# KiCad board PDNode_Baseboard.kicad_pcb (continued)
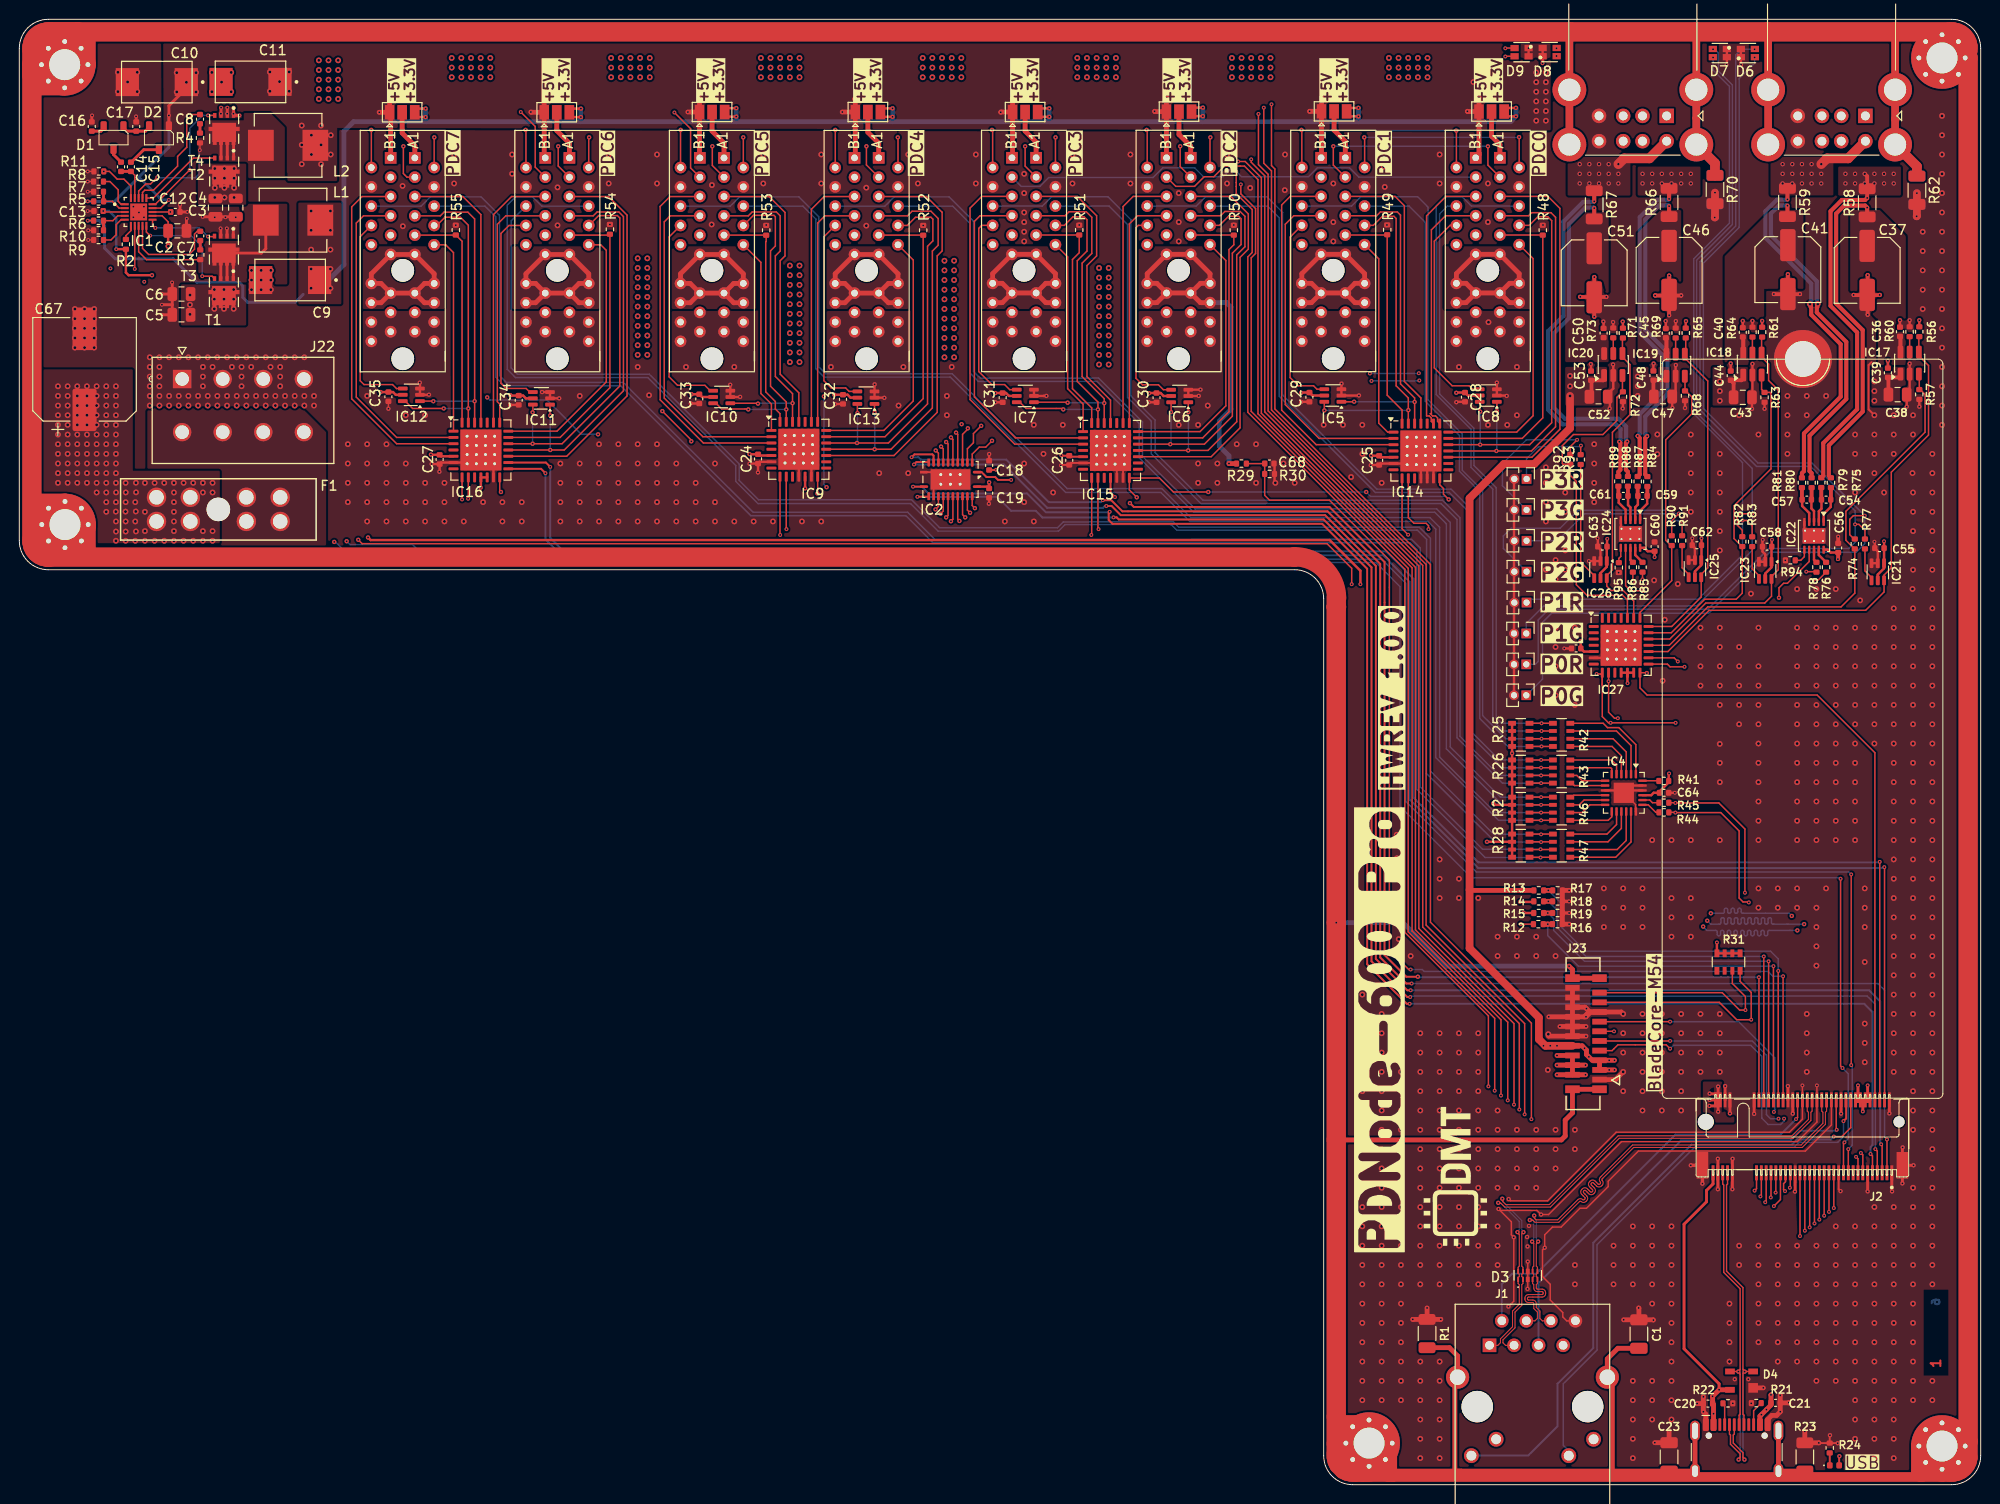
[diagram p0: board, top side]
## Library data of the parts (continued)
H1-H5 = -: Description: Mounting Hole with connection; ki_fp_filters: MountingHole*Pad*
IC1 = -: Datasheet: https://www.ti.com/lit/ds/symlink/tps51225.pdf; Description: Dual Synchronous, Step-Down Controller with 5-V and 3.3-V LDOs; LCSC_PART: C131684; ROHS: YES; MFR: Texas Instruments
IC2 = -: Datasheet: https://www.ti.com/lit/ds/symlink/cd74hct4067-q1.pdf?ts=1751855183969; Description: 1 Circuit IC Switch 16:1 160Ohm 24-VQFN (5.5x3.5); MFR: Texas Instruments; LCSC_PART: C48731605; DIST1: https://www.digikey.at/en/products/detail/texas-instruments/CD74HC4067QRGYRQ1/26690664; ROHS: YES; ki_fp_filters: TO*252*
IC4 = -: Datasheet: https://www.ti.com/lit/ds/symlink/tca9548a.pdf; Description: I2C Bus Switch 1 x 8:1 24-VQFN (4x4); MFR: Texas Instruments; LCSC_PART: C555456; DIST1: https://www.digikey.de/en/products/detail/texas-instruments/tca9548arger/4497280; ROHS: YES; ki_fp_filters: TO*252*
IC5-IC8 IC10-IC13 IC21 IC23 IC25 IC26 = -: Datasheet: https://www.ti.com/general/docs/suppproductinfo.tsp?distId=10&gotoUrl=https%3A%2F%2Fwww.ti.com%2Flit%2Fgpn%2Fsn74lvc1g97-q1; Description: Configurable Multiple Function Configurable 1 Circuit 3 Input SC-70-6; MFR: Texas Instruments; LCSC_PART: C179911; DIST1: https://www.digikey.de/en/products/detail/texas-instruments/sn74lvc1g97qdckrq1/716453; ROHS: YES; ki_fp_filters: TO*252*
IC9 IC14-IC16 IC27 = -: Datasheet: https://ww1.microchip.com/downloads/aemDocuments/documents/APID/ProductDocuments/DataSheets/MCP23017-Data-Sheet-DS20001952.pdf; Description: I/O Expander 16 I2C 1.7 MHz 28-QFN (6x6); MFR: Microchip Technology; LCSC_PART: C629439; DIST1: https://www.digikey.at/en/products/detail/microchip-technology/MCP23017T-E-ML/964183; ROHS: YES; ki_fp_filters: TO*252*
IC17-IC20 = -: Datasheet: https://www.diodes.com/assets/Datasheets/AP22652_53_52A_53A.pdf; Description: Active High High Side Switch Short-Circuit Protection(SCP)、Over Voltage Protection、Undervoltage Protection(UVP)、Overcurrent Protection(OCP)、Overtemperature protection (OTP) SOT-26 Power Distribution Switches ROHS; MFR: Diodes Incorporated; ROHS: YES; LCSC_PART: C2158037; DIST1: https://www.digikey.at/en/products/detail/diodes-incorporated/AP22653W6-7/10481162?s=N4IgTCBcDaIIIAUxgGwFYDMB1FBaA7CALoC%2BQA; ki_fp_filters: *SC?70*
IC22 IC24 = -: Datasheet: https://ww1.microchip.com/downloads/aemDocuments/documents/MSLD/ProductDocuments/DataSheets/PAC1710-PAC1720-Data-Sheet-DS20005386.pdf; Description: Current Monitor Regulator High-Side 10-DFN (3x3); MFR: Microchip Technology; ROHS: YES; LCSC_PART: C622574; DIST1: https://www.digikey.at/en/products/detail/microchip-technology/pac1720-1-aia-tr/4439707; ki_fp_filters: *SC?70*
J1 = -: Datasheet: https://www.lcsc.com/datasheet/lcsc_datasheet_2011180207_WIZNET-J1B1211CCD_C910371.pdf; Description: 1 Gold Phosphor Bronze RJ45 Jack Right Angle Shielded With LED cat5 Push-Pull Ethernet Connectors / Modular Connectors (RJ45 RJ11) ROHS; MFR: WIZNET; ROHS: YES; LCSC_PART: C910371
J2 = -: Datasheet: https://cdn.amphenol-cs.com/media/wysiwyg/files/documentation/datasheet/ssio/ssio_pcie_m2.pdf; Description: 67 Position Female Connector M.2 (NGFF) Mini Card Gold 0.020" (0.50mm) Black 5.8mm height; LCSC_PART: C5177196; MFR: Amphenol ICC (FCI); ROHS: YES; DIST1: https://www.digikey.at/en/products/detail/amphenol-cs-fci/MDT580M01001/22525925
J3 = -: Datasheet: https://jlcpcb.com/api/file/downloadByFileSystemAccessId/8589041631273738240; Description: -25°C~+85°C 1 10,000 cycles 16P 3A 5V 7.35mm Female Surface Mount, Right Angle Type-C SMD USB Connectors ROHS; LCSC_PART: C2927038; MFR: DEALON; ROHS: YES
J4-J11 = -: Datasheet: https://www.waldom.com/upload/parts/datasheets/mf-fci/fci-10018784-10200tlf.pdf; Description: 36 Position Female Connector PCI Express Gold 0.039" (1.00mm) Black; LCSC_PART: C5437695; MFR: Amphenol ICC (FCI); ROHS: YES; DIST1: https://www.digikey.de/en/products/detail/amphenol-cs-fci/10018784-10200TLF/1002340
J12 J13 = -: Datasheet: https://jlcpcb.com/api/file/downloadByFileSystemAccessId/8588937323954245632; Description: 1.5A 17.6mm 2 30V 4Px2 5,000 times Female Right Angle Type-A USB 2.0 White USB Connectors ROHS; ROHS: YES; LCSC_PART: C456021; MFR: SHOU HAN; ki_fp_filters: USB*C*Receptacle*
J14-J21 = -: Description: Generic connector, single row, 01x02, script generated (kicad-library-utils/schlib/autogen/connector/); ki_fp_filters: Connector*:*_1x??_*
J22 = -: Datasheet: https://www.molex.com/en-us/products/part-detail/1724470208?display=pdf; Description: Connector Header Through Hole 8 position 0.165" (4.20mm); MFR: Molex; LCSC_PART: C17445611; LCSC_PRICE: EUR 1.1598; ROHS: YES; DIST1: https://www.digikey.at/en/products/detail/molex/1724470208/5405403; PPU1: EUR 1.60 DIGI
J23 = -: Datasheet: https://www.molex.com/en-us/products/part-detail/525592052?display=pdf; Description: 20 Position FFC, FPC Connector Contacts, Vertical - 1 Sided 0.020" (0.50mm) Surface Mount; MFR: Molex; LCSC_PART: C588204; ROHS: YES; DIST1: https://www.digikey.at/en/products/detail/molex/0525592052/2074156?s=N4IgTCBcDaIKxjnAnGADAkBdAvkA
JP1-JP8 = -: Description: Solder Jumper, 3-pole, open; ki_fp_filters: SolderJumper*Open*
L1 = -: Description: 10A 15mΩ 2.2uH 9.5A Molded Inductor ±20% SMD,7x6.6mm Power Inductors ROHS; LCSC_PART: C167218; ROHS: YES; MPN: FXL0630-2R2-M
L2 = -: Datasheet: https://jlcpcb.com/api/file/downloadByFileSystemAccessId/8604432124011159552; Description: 10A 13A 15mΩ 3.3uH Molded Inductor ±20% SMD,8.5x8mm Power Inductors ROHS; LCSC_PART: C41413136; ROHS: YES; MPN: ZEMS0850-3R3M; MFR: ZE
R1 R23 R62 R70 = -: Description: 250mW Thick Film Resistors 200V ±100ppm/℃ ±1% 1MΩ 1206 Chip Resistor - Surface Mount ROHS; LCSC_PART: C17927; ROHS: YES; FOOTPRINT_SHORT: 1206; MFR: Uniohm
R2 R7 R10-R19 R48-R55 = -: Description: 62.5mW Thick Film Resistors 50V ±100ppm/℃ ±1% 10kΩ 0402 Chip Resistor - Surface Mount ROHS; LCSC_PART: C25744; ROHS: YES; FOOTPRINT_SHORT: 0402; MFR: ROHM
R3 R4 = -: Datasheet: https://jlcpcb.com/api/file/downloadByFileSystemAccessId/8590208205541711872; Description: -55℃~+155℃ 2.2Ω 50V 62.5mW Thick Film Resistor ±1% ±200ppm/℃ 0402 Chip Resistor - Surface Mount ROHS; LCSC_PART: C2909330; ROHS: YES; FOOTPRINT_SHORT: 0402; MFR: UNI-ROYAL
R5 = -: Datasheet: https://jlcpcb.com/api/file/downloadByFileSystemAccessId/8590918905378381824; Description: 15.4kΩ 50V 62.5mW Thick Film Resistor ±1% ±200ppm/℃ 0402 Chip Resistor - Surface Mount ROHS; LCSC_PART: C22369478; ROHS: YES; FOOTPRINT_SHORT: 0402; MFR: HKR; MPN: RCA0215K4FLF
R6 = -: Description: -55℃~+155℃ 50V 6.57kΩ 62.5mW Thin Film Resistor ±0.1% ±25ppm/℃ 0402 Chip Resistor - Surface Mount ROHS; LCSC_PART: C852899; ROHS: YES; FOOTPRINT_SHORT: 0402; MFR: RT0402BRD076K57L
R8 R29 = -: Description: -55℃~+155℃ 50V 51kΩ 62.5mW Thick Film Resistor ±1% ±100ppm/℃ 0402 Chip Resistor - Surface Mount ROHS; LCSC_PART: C25794; ROHS: YES; FOOTPRINT_SHORT: 0402
R9 = -: Description: -55℃~+155℃ 47kΩ 50V 62.5mW Thick Film Resistor ±1% ±100ppm/℃ 0402 Chip Resistor - Surface Mount ROHS; LCSC_PART: C25792; ROHS: YES; FOOTPRINT_SHORT: 0402; MFR: 0402WGF4702TCE
R21 R22 R30 = -: Description: 62.5mW Thick Film Resistors 50V ±100ppm/℃ ±1% 5.1kΩ 0402 Chip Resistor - Surface Mount ROHS; LCSC_PART: C25905; ROHS: YES; FOOTPRINT_SHORT: 0402
R24 R74 R77 R82 R83 R90-R93 = -: Description: 62.5mW Thick Film Resistors 50V ±100ppm/℃ ±1% 1kΩ 0402 Chip Resistor - Surface Mount ROHS; LCSC_PART: C11702; ROHS: YES; FOOTPRINT_SHORT: 0402; MFR: FH
R25-R28 R31 = -: Datasheet: https://jlcpcb.com/api/file/downloadByFileSystemAccessId/8586173052141121536; Description: 1/16W 2.2kΩ 4 8 ±200ppm/°C ±5% 0603x4 Resistor Networks, Arrays ROHS; LCSC_PART: C12001; LCSC_PRICE: EUR 0.0070; ROHS: YES; FOOTPRINT_SHORT: 1206; MFR: UNI-ROYAL; MPN: 4D03WGJ0222T5E
R41 R56 R57 R61 R63 R65 R68 R71 R72 = -: Description: 62.5mW Thick Film Resistors 50V ±100ppm/℃ ±1% 4.7kΩ 0402 Chip Resistor - Surface Mount ROHS; LCSC_PART: C25900; ROHS: YES; FOOTPRINT_SHORT: 0402
R42 R43 R46 R47 = -: Datasheet: https://jlcpcb.com/api/file/downloadByFileSystemAccessId/8588884044750180352; Description: 100Ω 4 62.5mW 8 ±1% ±200ppm/°C 0603x4 Resistor Networks, Arrays ROHS; LCSC_PART: C136838; LCSC_PRICE: EUR 0.0092; ROHS: YES; FOOTPRINT_SHORT: 1206; MFR: YAGEO; MPN: YC164-FR-07100RL
R44 R45 R76 R78 R85 R86 = -: Description: -55℃~+155℃ 33Ω 50V 62.5mW Thick Film Resistor ±1% ±100ppm/℃ 0402 Chip Resistor - Surface Mount ROHS; LCSC_PART: C25105; ROHS: YES; FOOTPRINT_SHORT: 0402; MFR: ROHM
R58 R59 R66 R67 = -: Datasheet: https://jlcpcb.com/api/file/downloadByFileSystemAccessId/8589941403372855296; Description: 20mΩ 250mW ±1% ±75ppm/°C 1206 Chip Resistor - Surface Mount ROHS; LCSC_PART: C844895; ROHS: YES; FOOTPRINT_SHORT: 1206; MFR: Vishay; MPN: WSL1206R0200FEA
R60 R64 R69 R73 = -: Datasheet: https://jlcpcb.com/api/file/downloadByFileSystemAccessId/8588946345579458560; Description: 33.2kΩ 50V 62.5mW Thick Film Resistor ±1% ±100ppm/°C 0402 Chip Resistor - Surface Mount ROHS; LCSC_PART: C324836; ROHS: YES; FOOTPRINT_SHORT: 0402; MFR: FH; MPN: RC-02K3322FT
R75 R79-R81 R84 R87-R89 R94 R95 = -: Description: 62.5mW Thick Film Resistors 50V ±1% ±200ppm/℃ 100Ω 0402 Chip Resistor - Surface Mount ROHS; LCSC_PART: C25076; ROHS: YES; FOOTPRINT_SHORT: 0402
ST1 = -: Datasheet: https://www.we-online.com/components/products/datasheet/9774045151R.pdf; Description: Round Standoff Threaded M2.5 Steel; LCSC_PART: C7435234; MFR: Würth Elektronik; MPN: 9774045151R; ROHS: YES; DIST1: https://www.digikey.at/en/products/detail/w%C3%BCrth-elektronik/9774045151R/5320636
T1 T2 = -: Datasheet: https://www.onsemi.com/pdf/datasheet/fdmc7692-d.pdf; Description: 1 N-channel 1.385nF 18A 23nC@10V 27W 30V 3V 590pF 60pF 9.3mΩ@10V N-Channel MLP(3.3x3.3) MOSFETs ROHS; ROHS: YES; LCSC_PART: C241798; MFR: onsemi
T3 T4 = -: Datasheet: https://www.onsemi.com/pdf/datasheet/fdmc7672-d.pdf; Description: 1 N-channel 120pF@15V 16.9A 3.89nF@15V 30V 3V 57nC@10V WDFN-8(3.3x3.3) MOSFETs ROHS; ROHS: YES; LCSC_PART: C890946; MFR: onsemi

## Footprints (pads in the part's own frame, mm; a bottom-side part is the same pattern mirrored in y, then rotated)
7x6.6mm
  rect 2.67x3.21 smd: 1(-2.82,0) 2(2.82,0)
178.6165.0001-Littelfuse
  round 2.438 hole 2.438 unplated: (-6.4,1.248)
  round 2.007 hole 1.499: 1(-12.8,2.496) 2(-12.8,-0.004) 3(-9.3,2.496) 4(-9.3,-0.004) 5(-3.5,2.496) 6(-3.5,-0.004) 7(0,2.496) 8(0,-0.004)
2917
  rect 2.4x2.9 smd: 1(-3.05,0) 2(3.05,0)
AMPHENOL_10018784-10210TLF
  round 2.35 hole 2.35 unplated: (0,0) (9.15,0)
  rect 1.208x1.208 hole 0.7: A1(-11.65,1.25) B1(-11.65,-1.25)
  round 1.208 hole 0.7: A2(-10.65,3.25) A3(-9.65,1.25) A4(-8.65,3.25) A5(-7.65,1.25) A6(-6.65,3.25) A7(-5.65,1.25) A8(-4.65,3.25) A9(-3.65,1.25) A10(-2.65,3.25) A11(-1.65,1.25) A12(1.35,3.25) A13(2.35,1.25) A14(3.35,3.25) A15(4.35,1.25) A16(5.35,3.25) A17(6.35,1.25) A18(7.35,3.25) B2(-10.65,-3.25) B3(-9.65,-1.25) B4(-8.65,-3.25) B5(-7.65,-1.25) B6(-6.65,-3.25) B7(-5.65,-1.25) B8(-4.65,-3.25) B9(-3.65,-1.25) B10(-2.65,-3.25) B11(-1.65,-1.25) B12(1.35,-3.25) B13(2.35,-1.25) B14(3.35,-3.25) B15(4.35,-1.25) B16(5.35,-3.25) B17(6.35,-1.25) B18(7.35,-3.25)
BladeCore-M54E-5.8mm
  round 1.65 hole 1.65 unplated: (-10,3.6)
  round 1.15 hole 1.15 unplated: (10,3.6)
  rect 0.3x1.55 smd: 1(9.25,-1.675) 2(9,5.875) 3(8.75,-1.675) 4(8.5,5.875) 5(8.25,-1.675) 6(8,5.875) 7(7.75,-1.675) 8(7.5,5.875) 9(7.25,-1.675) 10(7,5.875) 11(6.75,-1.675) 12(6.5,5.875) 13(6.25,-1.675) 14(6,5.875) 15(5.75,-1.675) 16(5.5,5.875) 17(5.25,-1.675) 18(5,5.875) 19(4.75,-1.675) 20(4.5,5.875) 21(4.25,-1.675) 22(4,5.875) 23(3.75,-1.675) 24(3.5,5.875) 25(3.25,-1.675) 26(3,5.875) 27(2.75,-1.675) 28(2.5,5.875) 29(2.25,-1.675) 30(2,5.875) 31(1.75,-1.675) 32(1.5,5.875) 33(1.25,-1.675) 34(1,5.875) 35(0.75,-1.675) 36(0.5,5.875) 37(0.25,-1.675) 38(0,5.875) 39(-0.25,-1.675) 40(-0.5,5.875) 41(-0.75,-1.675) 42(-1,5.875) 43(-1.25,-1.675) 44(-1.5,5.875) 45(-1.75,-1.675) 46(-2,5.875) 47(-2.25,-1.675) 48(-2.5,5.875) 49(-2.75,-1.675) 50(-3,5.875) 51(-3.25,-1.675) 52(-3.5,5.875) 53(-3.75,-1.675) 54(-4,5.875) 55(-4.25,-1.675) 56(-4.5,5.875) 57(-4.75,-1.675) 58(-5,5.875) 67(-7.25,-1.675) 68(-7.5,5.875) 69(-7.75,-1.675) 70(-8,5.875) 71(-8.25,-1.675) 72(-8.5,5.875) 73(-8.75,-1.675) 74(-9,5.875) 75(-9.25,-1.675)
  rect 1.2x2.75 smd: SH1(-10.35,-0.9) SH1(10.35,-0.9)
C_0402_1005Metric
  rrect 0.56x0.62 smd: 1(-0.48,0) 2(0.48,0)
C_0805_2012Metric
  rrect 1x1.45 smd: 1(-0.95,0) 2(0.95,0)
C_1206_3216Metric
  rrect 1.15x1.8 smd: 1(-1.475,0) 2(1.475,0)
C_Elec_6.3x7.7
  rrect 3.325x1.6 smd: 1(-2.538,0) 2(2.538,0)
CON_525592052_MOL
  rect 0.6x1.5 smd: 1(-4.75,-1.4) 2(-4.25,1.4) 3(-3.75,-1.4) 4(-3.25,1.4) 5(-2.75,-1.4) 6(-2.25,1.4) 7(-1.75,-1.4) 8(-1.25,1.4) 9(-0.75,-1.4) 10(-0.25,1.4) 11(0.25,-1.4) 12(0.75,1.4) 13(1.25,-1.4) 14(1.75,1.4) 15(2.25,-1.4) 16(2.75,1.4) 17(3.25,-1.4) 18(3.75,1.4) 19(4.25,-1.4) 20(4.75,1.4)
  rect 0.8x1.5 smd: P1(-5.75,-1.4) P2(5.75,-1.4) P3(-5.75,1.4) P4(5.75,1.4)
CP_Elec_10x10.5
  rrect 4.4x2.5 smd: 1(-4.2,0) 2(4.2,0)
DFN8_3x3
  rect 0.5x0.35 smd: 1(-1.76,0.975) 1(-1.76,0.325) 1(-1.76,-0.325) 2(-1.76,-0.975)
  custom 2.29x3.22 smd: 3(0,0)
DFN-10-1EP_3x3mm_P0.5mm_EP1.58x2.35mm_ThermalVias
  rrect 1.27x0.95 smd: (0,0.59) (0,-0.59)
  rrect 0.825x0.25 smd: 1(-1.438,1) 2(-1.438,0.5) 3(-1.438,0) 4(-1.438,-0.5) 5(-1.438,-1) 6(1.438,-1) 7(1.438,-0.5) 8(1.438,0) 9(1.438,0.5) 10(1.438,1)
  round 0.5 hole 0.2: 11(-0.54,0.925) 11(-0.54,0) 11(-0.54,-0.925) 11(0.54,0.925) 11(0.54,0) 11(0.54,-0.925)
  rect 1.58x2.35 smd: 11(0,0)
  rect 1.58x2.35 smd far side: 11(0,0)
J1B1211CCD
  round 3.25 hole 3.25 unplated: (-5.715,0) (5.715,0)
  rect 1.408x1.408 hole 0.9: 1(-4.445,6.35)
  round 1.408 hole 0.9: 2(-3.175,8.89) 3(-1.905,6.35) 4(-0.635,8.89) 5(0.635,6.35) 6(1.905,8.89) 7(3.175,6.35) 8(4.445,8.89)
  round 1.53 hole 1.02: 9(-6.325,-5.08) 10(-3.758,-3.38) 11(3.758,-5.08) 12(6.325,-3.38)
  round 2.4 hole 1.6: 13(-7.75,3.05) 14(7.75,3.05)
LED_0402_1005Metric
  rrect 0.59x0.64 smd: 1(-0.485,0) 2(0.485,0)
LED_0605-1613
  rect 0.85x0.65 smd: 1(-0.725,0.425) 2(-0.725,-0.425) 3(0.725,0.425) 4(0.725,-0.425)
MOLEX_1724470208
  rect 1.9x1.9 hole 1.4: 1(0,0)
  round 1.9 hole 1.4: 2(-4.2,0) 3(-8.4,0) 4(-12.6,0) 5(0,5.5) 6(-4.2,5.5) 7(-8.4,5.5) 8(-12.6,5.5)
MountingHole_3.2mm_M3_Pad_Via
  round 0.8 hole 0.5: 1(-2.4,0) 1(-1.697,1.697) 1(-1.697,-1.697) 1(0,2.4) 1(0,-2.4) 1(1.697,1.697) 1(1.697,-1.697) 1(2.4,0)
  round 6.4 hole 3.2: 1(0,0)
PinHeader_1x02_P1.27mm_Vertical
  rect 1x1 hole 0.65: 1(0,0)
  round 1 hole 0.65: 2(0,-1.27)
QFN20-3x3
  rrect 0.83x0.22 smd: 1(-1.39,0.75) 2(-1.39,0.35) 3(-1.39,-0.05) 4(-1.39,-0.45) 5(-1.39,-0.85) 11(1.49,-0.85) 12(1.49,-0.45) 13(1.49,-0.05) 14(1.49,0.35) 15(1.49,0.75)
  rrect 0.22x0.83 smd: 6(-0.75,-1.49) 7(-0.35,-1.49) 8(0.05,-1.49) 9(0.45,-1.49) 10(0.85,-1.49) 16(0.85,1.39) 17(0.45,1.39) 18(0.05,1.39) 19(-0.35,1.39) 20(-0.75,1.39)
  rect 1.75x1.75 smd: 21(0.05,-0.05)
QFN-28-1EP_6x6mm_P0.65mm_EP4.25x4.25mm_ThermalVias
  rrect 1.14x1.14 smd: (-1.42,1.42) (-1.42,0) (-1.42,-1.42) (0,1.42) (0,0) (0,-1.42) (1.42,1.42) (1.42,0) (1.42,-1.42)
  rrect 1.025x0.3 smd: 1(-2.837,1.95) 2(-2.837,1.3) 3(-2.837,0.65) 4(-2.837,0) 5(-2.837,-0.65) 6(-2.837,-1.3) 7(-2.837,-1.95) 15(2.837,-1.95) 16(2.837,-1.3) 17(2.837,-0.65) 18(2.837,0) 19(2.837,0.65) 20(2.837,1.3) 21(2.837,1.95)
  rrect 0.3x1.025 smd: 8(-1.95,-2.837) 9(-1.3,-2.837) 10(-0.65,-2.837) 11(0,-2.837) 12(0.65,-2.837) 13(1.3,-2.837) 14(1.95,-2.837) 22(1.95,2.837) 23(1.3,2.837) 24(0.65,2.837) 25(0,2.837) 26(-0.65,2.837) 27(-1.3,2.837) 28(-1.95,2.837)
  round 0.5 hole 0.3: 29(-1.425,1.425) 29(-1.425,0.475) 29(-1.425,-0.475) 29(-1.425,-1.425) 29(-0.475,1.425) 29(-0.475,0.475) 29(-0.475,-0.475) 29(-0.475,-1.425) 29(0.475,1.425) 29(0.475,0.475) 29(0.475,-0.475) 29(0.475,-1.425) 29(1.425,1.425) 29(1.425,0.475) 29(1.425,-0.475) 29(1.425,-1.425)
  rect 3.35x3.35 smd far side: 29(0,0)
  rect 4.25x4.25 smd: 29(0,0)
R_0402_1005Metric
  rrect 0.54x0.64 smd: 1(-0.51,0) 2(0.51,0)
R_1206_3216Metric
  rrect 1.125x1.75 smd: 1(-1.462,0) 2(1.462,0)
R_Array_Convex_4x0603
  rect 0.8x0.5 smd: 1(-0.9,1.2) 4(-0.9,-1.2) 5(0.9,-1.2) 8(0.9,1.2)
  rect 0.8x0.4 smd: 2(-0.9,0.4) 3(-0.9,-0.4) 6(0.9,-0.4) 7(0.9,0.4)
Round Standoff Threaded M2.5 Steel
  round 6 hole 3.7: 1(0,0)
SolderJumper-3_P1.3mm_Open_Pad1.0x1.5mm
  rect 1x1.5 smd: 1(-1.3,0) 2(0,0) 3(1.3,0)
SOT23-3
  rrect 1x0.65 smd: 1(-1.45,1.03) 2(-1.45,-1.02) 3(0.95,0)
SOT143
  rect 1x1 smd: 1(-0.75,-1.2)
  rect 0.6x1 smd: 2(0.95,-1.2) 3(0.95,1.2) 4(-0.95,1.2)
SOT-23-6
  rrect 1.325x0.6 smd: 1(-1.137,0.95) 2(-1.137,0) 3(-1.137,-0.95) 4(1.137,-0.95) 5(1.137,0) 6(1.137,0.95)
SOT-363_SC-70-6
  rrect 1x0.4 smd: 1(-0.887,0.65) 2(-0.887,0) 3(-0.887,-0.65) 4(0.887,-0.65) 5(0.887,0) 6(0.887,0.65)
Texas_RGE0024C_VQFN-24-1EP_4x4mm_P0.5mm_EP2.1x2.1mm
  rrect 0.85x0.85 smd: (-0.525,0.525) (-0.525,-0.525) (0.525,0.525) (0.525,-0.525)
  rrect 0.875x0.25 smd: 1(-1.938,1.25) 2(-1.938,0.75) 3(-1.938,0.25) 4(-1.938,-0.25) 5(-1.938,-0.75) 6(-1.938,-1.25) 13(1.938,-1.25) 14(1.938,-0.75) 15(1.938,-0.25) 16(1.938,0.25) 17(1.938,0.75) 18(1.938,1.25)
  rrect 0.25x0.875 smd: 7(-1.25,-1.938) 8(-0.75,-1.938) 9(-0.25,-1.938) 10(0.25,-1.938) 11(0.75,-1.938) 12(1.25,-1.938) 19(1.25,1.938) 20(0.75,1.938) 21(0.25,1.938) 22(-0.25,1.938) 23(-0.75,1.938) 24(-1.25,1.938)
  rect 2.1x2.1 smd: 25(0,0)
Texas_RGY_R-PVQFN-N24_EP2.05x3.1mm_ThermalVias
  rect 0.82x1.32 smd: (-0.56,0.81) (-0.56,-0.81) (0.56,0.81) (0.56,-0.81)
  custom 0.28x0.838 smd: 1(-0.75,2.795) 12(-0.75,-2.795) 13(0.75,-2.795) 24(0.75,2.795)
  custom 0.85x0.28 smd: 2(-1.795,2.25)
  custom 0.837x0.28 smd: 3(-1.795,1.75) 4(-1.795,1.25) 5(-1.795,0.75) 6(-1.795,0.25) 7(-1.795,-0.25) 8(-1.795,-0.75) 9(-1.795,-1.25) 10(-1.795,-1.75) 11(-1.795,-2.25)
  custom 0.838x0.28 smd: 14(1.795,-2.25) 15(1.795,-1.75) 16(1.795,-1.25) 17(1.795,-0.75) 18(1.795,-0.25) 19(1.795,0.25) 20(1.795,0.75) 21(1.795,1.25) 22(1.795,1.75) 23(1.795,2.25)
  round 0.6 hole 0.3: 25(-0.5,1) 25(-0.5,0) 25(-0.5,-1) 25(0.5,1) 25(0.5,0) 25(0.5,-1)
  rect 2.1x4.1 smd: 25(0,0)
  rect 2.1x4.1 smd far side: 25(0,0)
USB_A_Horizontal_Stacked
  rect 1.5x1.5 hole 0.92: 1(0,0)
  round 1.5 hole 0.92: 2(0,-2.5) 3(0,-4.5) 4(0,-7) 5(2.62,0) 6(2.62,-2.5) 7(2.62,-4.5) 8(2.62,-7)
  round 3.5 hole 2.3: 9(-2.71,3.07) 9(-2.71,-10.07) 9(2.97,3.07) 9(2.97,-10.07)
USB_C_Receptacle_HCTL_HC-TYPE-C-16P-01A
  round 0.65 hole 0.65 unplated: (-2.89,2.605) (2.89,2.605)
  rrect 0.6x1.3 smd: A1(-3.2,3.745) A4(-2.4,3.745) A9(2.4,3.745) A12(3.2,3.745) B1(3.2,3.745) B4(2.4,3.745) B9(-2.4,3.745) B12(-3.2,3.745)
  rrect 0.3x1.3 smd: A5(-1.25,3.745) A6(-0.25,3.745) A7(0.25,3.745) A8(1.25,3.745) B5(1.75,3.745) B6(0.75,3.745) B7(-0.75,3.745) B8(-1.75,3.745)
  oval 1x2.1 hole 0.6x1.7: S1(-4.32,3.105) S1(4.32,3.105)
  oval 1x1.6 hole 0.6x1.2: S1(-4.32,-1.075) S1(4.32,-1.075)
USON10_2.5x1
  rrect 0.565x0.2 smd: 1(-0.417,1) 1(0.417,1) 2(-0.417,0.5) 2(0.417,0.5) 4(-0.417,-0.5) 4(0.417,-0.5) 5(-0.417,-1) 5(0.417,-1)
  rrect 0.565x0.4 smd: 3(-0.417,0) 3(0.417,0)

## Nets
+3.3V: C9.1 C18.1 C19.1 C24.1 C25.1 C26.1 C27.1 C28.1 C29.1 C30.1 C31.1 C32.1 C33.1 C34.1 C35.1 C55.1 C56.1 C58.1 C60.1 C62.1 C63.1 C64.1 C65.1 IC2.24 IC4.21 IC5.5 IC6.5 IC7.5 IC8.5 IC9.5 IC9.12 IC10.5 IC11.5 IC12.5 IC13.5 IC14.5 IC15.5 IC15.11 IC16.5 IC16.11 IC16.12 IC21.1 IC21.5 IC22.10 IC23.1 IC23.5 IC24.10 IC25.1 IC25.5 IC26.1 IC26.5 IC27.5 IC27.11 IC27.12 IC27.13 J1.10 J1.12 J2.10 J2.12 J2.14 J2.16 J23.2 J23.4 J23.6 JP1.3 JP2.3 JP3.3 JP4.3 JP5.3 JP6.3 JP7.3 JP8.3 L1.2 R6.1 R15.1 R25.5 R25.6 R25.7 R25.8 R26.5 R26.6 R26.7 R26.8 R27.5 R27.6 R27.7 R27.8 R28.5 R28.6 R28.7 R28.8 R31.5 R31.6 R31.7 R31.8 R41.1 R56.1 R61.1 R65.1 R71.1
+3.3VA: C13.1 IC1.3 R2.1 R14.1
+5V: C10.1 C11.1 C38.1 C39.1 C43.1 C44.1 C47.1 C48.1 C52.1 C53.1 D2.1 IC1.14 IC17.1 IC18.1 IC19.1 IC20.1 J4.B1 J5.B1 J6.B1 J7.B1 J8.B1 J9.B1 J10.B1 J11.B1 J23.3 J23.5 J23.8 JP1.1 JP2.1 JP3.1 JP4.1 JP5.1 JP6.1 JP7.1 JP8.1 L2.1 R5.1 R13.1
+5VA: C12.1 IC1.13 R12.1
+15V: C16.1 D1.2
+24V: C2.1 C3.1 C4.1 C5.1 C6.1 C67.1 F1.5 F1.6 F1.7 F1.8 IC1.12 J4.A11 J4.A12 J4.A13 J4.A14 J4.B11 J4.B12 J4.B13 J4.B14 J5.A11 J5.A12 J5.A13 J5.A14 J5.B11 J5.B12 J5.B13 J5.B14 J6.A11 J6.A12 J6.A13 J6.A14 J6.B11 J6.B12 J6.B13 J6.B14 J7.A11 J7.A12 J7.A13 J7.A14 J7.B11 J7.B12 J7.B13 J7.B14 J8.A11 J8.A12 J8.A13 J8.A14 J8.B11 J8.B12 J8.B13 J8.B14 J9.A11 J9.A12 J9.A13 J9.A14 J9.B11 J9.B12 J9.B13 J9.B14 J10.A11 J10.A12 J10.A13 J10.A14 J10.B11 J10.B12 J10.B13 J10.B14 J11.A11 J11.A12 J11.A13 J11.A14 J11.B11 J11.B12 J11.B13 J11.B14 R29.1 T1.3 T2.3
+24V_IN: F1.1 F1.2 F1.3 F1.4 J22.5 J22.6 J22.7 J22.8
/Project Architecture/System Power/3V3_BUCK_EN: IC1.6 R2.2
/Project Architecture/System Power/5V_BUCK_EN: IC1.20 J2.21 R11.1
GND: C1.1 C2.2 C3.2 C4.2 C5.2 C6.2 C9.2 C10.2 C11.2 C12.2 C13.2 C16.2 C17.2 C18.2 C19.2 C20.2 C21.2 C23.2 C24.2 C25.2 C26.2 C27.2 C28.2 C29.2 C30.2 C31.2 C32.2 C33.2 C34.2 C35.2 C36.2 C37.2 C38.2 C39.2 C40.2 C41.2 C42.2 C43.2 C44.2 C45.2 C46.2 C47.2 C48.2 C49.2 C50.2 C51.2 C52.2 C53.2 C55.2 C56.2 C58.2 C60.2 C62.2 C63.2 C64.2 C65.2 C67.2 C68.2 D3.3 D4.1 D6.1 D6.2 D7.1 D7.2 D8.1 D8.2 D9.1 D9.2 IC1.21 IC2.12 IC2.15 IC2.25 IC4.9 IC4.18 IC4.22 IC4.23 IC4.25 IC5.2 IC5.3 IC6.2 IC6.3 IC7.2 IC7.3 IC8.2 IC8.3 IC9.6 IC9.11 IC9.13 IC9.29 IC10.2 IC10.3 IC11.2 IC11.3 IC12.2 IC12.3 IC13.2 IC13.3 IC14.6 IC14.11 IC14.12 IC14.13 IC14.29 IC15.6 IC15.12 IC15.13 IC15.29 IC16.6 IC16.13 IC16.29 IC17.2 IC18.2 IC19.2 IC20.2 IC21.2 IC21.3 IC22.5 IC22.11 IC23.2 IC23.3 IC24.5 IC24.11 IC25.2 IC25.3 IC26.2 IC26.3 IC27.6 IC27.29 J1.8 J2.1 J2.2 J2.11 J2.22 J2.23 J2.26 J2.32 J2.38 J2.41 J2.42 J2.44 J2.58 J2.67 J2.68 J2.70 J2.73 J2.SH1 J3.A1 J3.A12 J3.B1 J3.B12 J4.A4 J4.A15 J4.A16 J4.A17 J4.A18 J4.B4 J4.B15 J4.B16 J4.B17 J4.B18 J5.A4 J5.A15 J5.A16 J5.A17 J5.A18 J5.B4 J5.B15 J5.B16 J5.B17 J5.B18 J6.A4 J6.A15 J6.A16 J6.A17 J6.A18 J6.B4 J6.B15 J6.B16 J6.B17 J6.B18 J7.A4 J7.A15 J7.A16 J7.A17 J7.A18 J7.B4 J7.B15 J7.B16 J7.B17 J7.B18 J8.A4 J8.A15 J8.A16 J8.A17 J8.A18 J8.B4 J8.B15 J8.B16 J8.B17 J8.B18 J9.A4 J9.A15 J9.A16 J9.A17 J9.A18 J9.B4 J9.B15 J9.B16 J9.B17 J9.B18 J10.A4 J10.A15 J10.A16 J10.A17 J10.A18 J10.B4 J10.B15 J10.B16 J10.B17 J10.B18 J11.A4 J11.A15 J11.A16 J11.A17 J11.A18 J11.B4 J11.B15 J11.B16 J11.B17 J11.B18 J12.4 J12.8 J13.4 J13.8 J14.2 J15.2 J16.2 J17.2 J18.2 J19.2 J20.2 J21.2 J22.1 J22.2 J22.3 J22.4 J23.1 J23.10 J23.12 J23.14 J23.15 J23.16 J23.18 J23.20 R1.1 R7.2 R8.2 R9.2 R10.2 R11.2 R16.2 R17.2 R18.2 R19.2 R21.2 R22.2 R23.2 R24.1 R30.2 R48.2 R49.2 R50.2 R51.2 R52.2 R53.2 R54.2 R55.2 R57.2 R60.2 R62.2 R63.2 R64.2 R68.2 R69.2 R70.2 R72.2 R73.2 R94.1 R95.1 ST1.1 T3.1 T4.1
VBUS: C20.1 C21.1 D4.4 D5.2 J2.72 J2.74 J2.75 J3.A4 J3.A9 J3.B4 J3.B9
VBUS_VMON_PORT0: IC2.23 J4.B10
VBUS_VMON_PORT1: IC2.22 J5.B10
VBUS_VMON_PORT2: IC2.21 J6.B10
VBUS_VMON_PORT3: IC2.20 J7.B10
VBUS_VMON_PORT4: IC2.19 J8.B10
VBUS_VMON_PORT5: IC2.18 J9.B10
VBUS_VMON_PORT6: IC2.17 J10.B10
VBUS_VMON_PORT7: IC2.16 J11.B10
/Project Architecture/BladeCore-M54/ACTLED: J1.9 J2.18
/Project Architecture/BladeCore-M54/ADC_24V: C68.1 J2.46 R29.2 R30.1
/Project Architecture/BladeCore-M54/LINKLED: J1.11 J2.20
/Project Architecture/BladeCore-M54/RCT: J1.5 J2.24
/Project Architecture/BladeCore-M54/RD+: D3.4 J1.4 J2.28
/Project Architecture/BladeCore-M54/RD-: D3.5 J1.6 J2.30
/Project Architecture/BladeCore-M54/SPI_CS: J2.47 J23.11
/Project Architecture/BladeCore-M54/TCT: J1.2 J2.40
/Project Architecture/BladeCore-M54/TD+: D3.1 J1.1 J2.34
/Project Architecture/BladeCore-M54/TD-: D3.2 J1.3 J2.36
/Project Architecture/BladeCore-M54/USB_RP_D+: D4.2 J2.69 J3.A6 J3.B6
/Project Architecture/BladeCore-M54/USB_RP_D-: D4.3 J2.71 J3.A7 J3.B7
/Project Architecture/PDC Signals/MCP_RESET: IC9.14 IC14.14 IC15.14 IC16.14 IC27.14 J2.8
/Project Architecture/PDC Signals/PD_IRQ_EVENT_A: IC16.16 J2.6
/Project Architecture/PDC Signals/PD_IRQ_EVENT_B: IC16.15 J2.4
/Project Architecture/PDCard Connectors 1-4/I2C_SCL_PORT0: J4.A6 R25.3 R42.2
/Project Architecture/PDCard Connectors 1-4/I2C_SCL_PORT1: J5.A6 R25.1 R42.4
/Project Architecture/PDCard Connectors 1-4/I2C_SCL_PORT2: J6.A6 R26.3 R43.2
/Project Architecture/PDCard Connectors 1-4/I2C_SCL_PORT3: J7.A6 R26.1 R43.4
/Project Architecture/PDCard Connectors 1-4/I2C_SDA_PORT0: J4.B6 R25.4 R42.1
/Project Architecture/PDCard Connectors 1-4/I2C_SDA_PORT1: J5.B6 R25.2 R42.3
/Project Architecture/PDCard Connectors 1-4/I2C_SDA_PORT2: J6.B6 R26.4 R43.1
/Project Architecture/PDCard Connectors 1-4/I2C_SDA_PORT3: J7.B6 R26.2 R43.3
/Project Architecture/PDCard Connectors 1-4/SPI_CLK: J2.45 J4.A3 J5.A3 J6.A3 J7.A3 J8.A3 J9.A3 J10.A3 J11.A3 J23.9
/Project Architecture/PDCard Connectors 1-4/SPI_CS_PORT0: J2.25 J4.B3
/Project Architecture/PDCard Connectors 1-4/SPI_CS_PORT1: J2.27 J5.B3
/Project Architecture/PDCard Connectors 1-4/SPI_CS_PORT2: J2.29 J6.B3
/Project Architecture/PDCard Connectors 1-4/SPI_CS_PORT3: J2.31 J7.B3
/Project Architecture/PDCard Connectors 1-4/SPI_MISO: J2.49 J4.B2 J5.B2 J6.B2 J7.B2 J8.B2 J9.B2 J10.B2 J11.B2 J23.13
/Project Architecture/PDCard Connectors 1-4/SPI_MOSI: J2.43 J4.A2 J5.A2 J6.A2 J7.A2 J8.A2 J9.A2 J10.A2 J11.A2 J23.7
/Project Architecture/PDCard Connectors 5-8/I2C_SCL_PORT4: J8.A6 R27.3 R46.2
/Project Architecture/PDCard Connectors 5-8/I2C_SCL_PORT5: J9.A6 R27.1 R46.4
/Project Architecture/PDCard Connectors 5-8/I2C_SCL_PORT6: J10.A6 R28.3 R47.2
/Project Architecture/PDCard Connectors 5-8/I2C_SCL_PORT7: J11.A6 R28.1 R47.4
/Project Architecture/PDCard Connectors 5-8/I2C_SDA_PORT4: J8.B6 R27.4 R46.1
/Project Architecture/PDCard Connectors 5-8/I2C_SDA_PORT5: J9.B6 R27.2 R46.3
/Project Architecture/PDCard Connectors 5-8/I2C_SDA_PORT6: J10.B6 R28.4 R47.1
/Project Architecture/PDCard Connectors 5-8/I2C_SDA_PORT7: J11.B6 R28.2 R47.3
/Project Architecture/PDCard Connectors 5-8/SPI_CS_PORT4: J2.33 J8.B3
/Project Architecture/PDCard Connectors 5-8/SPI_CS_PORT5: J2.35 J9.B3
/Project Architecture/PDCard Connectors 5-8/SPI_CS_PORT6: J2.37 J10.B3
/Project Architecture/PDCard Connectors 5-8/SPI_CS_PORT7: J2.39 J11.B3
/Project Architecture/System Power/ADC_3V3A: J2.54 R14.2 R18.1
/Project Architecture/System Power/ADC_3V3SW: J2.52 R15.2 R19.1
/Project Architecture/System Power/ADC_5VA: J2.50 R12.2 R16.1
/Project Architecture/System Power/ADC_5VSW: J2.48 R13.2 R17.1
/Project Architecture/System Power/CS_R1: IC1.1 R8.1
/Project Architecture/System Power/CS_R2: IC1.5 R9.1
/Project Architecture/System Power/DRVH1: IC1.16 T2.2
/Project Architecture/System Power/DRVH2: IC1.10 T1.2
/Project Architecture/System Power/DRVL1: IC1.15 T4.2
/Project Architecture/System Power/DRVL2: IC1.11 T3.2
/Project Architecture/System Power/PGOOD: IC1.7 J2.19
/Project Architecture/System Power/SW1: IC1.18 L2.2 R4.2 T2.1 T4.3
/Project Architecture/System Power/SW2: IC1.8 L1.1 R3.2 T1.1 T3.3
/Project Architecture/System Power/VCLK: C14.1 C15.1 IC1.19
/Project Architecture/System Power/VFB_3V3: IC1.4 R6.2 R10.1
/Project Architecture/System Power/VFB_5: IC1.2 R5.2 R7.1
/Project Architecture/TCA9548 Port Controller/RESET: IC4.24 R41.2
/Project Architecture/TCA9548 Port Controller/TCA_SCL: IC4.19 R45.1
/Project Architecture/TCA9548 Port Controller/TCA_SDA: IC4.20 R44.2
/Project Architecture/USB Interface and Display/USB_IND: D5.1 R24.2
/Project Architecture/USB-A Current Measurement/PAC_ALERT_P01: IC22.7 J2.13
/Project Architecture/USB-A Current Measurement/PAC_ALERT_P23: IC24.7 J2.15
/Project Architecture/USB-A Current Measurement/PAC_SCL: IC22.9 R76.1
/Project Architecture/USB-A Current Measurement/PAC_SCL2: IC24.9 R85.1
/Project Architecture/USB-A Current Measurement/PAC_SDA: IC22.8 R78.2
/Project Architecture/USB-A Current Measurement/PAC_SDA2: IC24.8 R86.2
/Project Architecture/USB-A Current Measurement/PD_IRQ_EVENT_A2: IC27.16 J2.57
/Project Architecture/USB-A Current Measurement/PD_IRQ_EVENT_B2: IC27.15 J2.55
/Project Architecture/USB-A Outputs/FAULT_PORTA0: IC17.4 IC21.6 IC27.17 R56.2
/Project Architecture/USB-A Outputs/FAULT_PORTA1: IC18.4 IC23.6 IC27.19 R61.2
/Project Architecture/USB-A Outputs/FAULT_PORTA2: IC19.4 IC25.6 IC27.21 R65.2
/Project Architecture/USB-A Outputs/FAULT_PORTA3: IC20.4 IC26.6 IC27.23 R71.2
/Project Architecture/USB-A Outputs/ILIM_EN_PORTA0: IC17.3 IC27.18 R57.1 R74.1
/Project Architecture/USB-A Outputs/ILIM_EN_PORTA1: IC18.3 IC27.20 R63.1 R82.1
/Project Architecture/USB-A Outputs/ILIM_EN_PORTA2: IC19.3 IC27.22 R68.1 R90.1
/Project Architecture/USB-A Outputs/ILIM_EN_PORTA3: IC20.3 IC27.24 R72.1 R92.1
I2C1_SCL: IC9.8 IC14.8 IC15.8 IC16.8 IC27.8 J2.51 J23.17 R31.4 R45.2 R76.2 R85.2
I2C1_SDA: IC9.9 IC14.9 IC15.9 IC16.9 IC27.9 J2.53 J23.19 R31.3 R44.1 R78.1 R86.1
MUX_OUT: IC2.1 J2.56
MUX_S0: IC2.10 J2.3
MUX_S1: IC2.11 J2.5
MUX_S2: IC2.14 J2.7
MUX_S3: IC2.13 J2.9
PD_ATTACH_PORT0: IC14.21 J4.A10
PD_ATTACH_PORT1: IC14.1 J5.A10
PD_ATTACH_PORT2: IC15.21 J6.A10
PD_ATTACH_PORT3: IC15.1 J7.A10
PD_ATTACH_PORT4: IC9.21 J8.A10
PD_ATTACH_PORT5: IC9.1 J9.A10
PD_ATTACH_PORT6: IC16.21 J10.A10
PD_ATTACH_PORT7: IC16.1 J11.A10
PD_ENABLE_PORT0: IC8.6 IC14.19 J4.A8
PD_ENABLE_PORT1: IC5.6 IC14.27 J5.A8
PD_ENABLE_PORT2: IC6.6 IC15.19 J6.A8
PD_ENABLE_PORT3: IC7.6 IC15.27 J7.A8
PD_ENABLE_PORT4: IC9.19 IC13.6 J8.A8
PD_ENABLE_PORT5: IC9.27 IC10.6 J9.A8
PD_ENABLE_PORT6: IC11.6 IC16.19 J10.A8
PD_ENABLE_PORT7: IC12.6 IC16.27 J11.A8
PD_IRQ_PORT0: IC14.17 J4.A5
PD_IRQ_PORT1: IC14.25 J5.A5
PD_IRQ_PORT2: IC15.17 J6.A5
PD_IRQ_PORT3: IC15.25 J7.A5
PD_IRQ_PORT4: IC9.17 J8.A5
PD_IRQ_PORT5: IC9.25 J9.A5
PD_IRQ_PORT6: IC16.17 J10.A5
PD_IRQ_PORT7: IC16.25 J11.A5
PD_RESET_PORT0: IC14.23 J4.B5
PD_RESET_PORT1: IC14.3 J5.B5
PD_RESET_PORT2: IC15.23 J6.B5
PD_RESET_PORT3: IC15.3 J7.B5
PD_RESET_PORT4: IC9.23 J8.B5
PD_RESET_PORT5: IC9.3 J9.B5
PD_RESET_PORT6: IC16.23 J10.B5
PD_RESET_PORT7: IC16.3 J11.B5
PDC_DET_PORT0: IC14.20 J4.A9 R48.1
PDC_DET_PORT1: IC14.28 J5.A9 R49.1
PDC_DET_PORT2: IC15.20 J6.A9 R50.1
PDC_DET_PORT3: IC15.28 J7.A9 R51.1
PDC_DET_PORT4: IC9.20 J8.A9 R52.1
PDC_DET_PORT5: IC9.28 J9.A9 R53.1
PDC_DET_PORT6: IC16.20 J10.A9 R54.1
PDC_DET_PORT7: IC16.28 J11.A9 R55.1
PGOOD_COMBINED_PORT0: IC14.22 J4.B7
PGOOD_COMBINED_PORT1: IC14.2 J5.B7
PGOOD_COMBINED_PORT2: IC15.22 J6.B7
PGOOD_COMBINED_PORT3: IC15.2 J7.B7
PGOOD_COMBINED_PORT4: IC9.22 J8.B7
PGOOD_COMBINED_PORT5: IC9.2 J9.B7
PGOOD_COMBINED_PORT6: IC16.22 J10.B7
PGOOD_COMBINED_PORT7: IC16.2 J11.B7
PMIC_EN_PORT0: IC8.1 IC14.18 J4.A7
PMIC_EN_PORT1: IC5.1 IC14.26 J5.A7
PMIC_EN_PORT2: IC6.1 IC15.18 J6.A7
PMIC_EN_PORT3: IC7.1 IC15.26 J7.A7
PMIC_EN_PORT4: IC9.18 IC13.1 J8.A7
PMIC_EN_PORT5: IC9.26 IC10.1 J9.A7
PMIC_EN_PORT6: IC11.1 IC16.18 J10.A7
PMIC_EN_PORT7: IC12.1 IC16.26 J11.A7
PMIC_VMON_PORT0: IC2.2 J4.B9
PMIC_VMON_PORT1: IC2.3 J5.B9
PMIC_VMON_PORT2: IC2.4 J6.B9
PMIC_VMON_PORT3: IC2.5 J7.B9
PMIC_VMON_PORT4: IC2.6 J8.B9
PMIC_VMON_PORT5: IC2.7 J9.B9
PMIC_VMON_PORT6: IC2.8 J10.B9
PMIC_VMON_PORT7: IC2.9 J11.B9
PORT_EN_PORT0: IC8.4 J4.B8
PORT_EN_PORT1: IC5.4 J5.B8
PORT_EN_PORT2: IC6.4 J6.B8
